# Altium PCB OBC-FPGA.PcbDoc (part 3 of 3)
Units mil, origin at the board's own origin, x right, y up, seen from the top; angles counter-clockwise.
Board outline 3775 x 3550 mil, 4 copper layers (Top Layer, Mid-Layer 2, Mid-Layer 3, Bottom Layer), stack 33.2 mil thick; 217 components, 167 nets, 957 pads, 748 vias.
Unrouted connection lines stored in the file: 2.
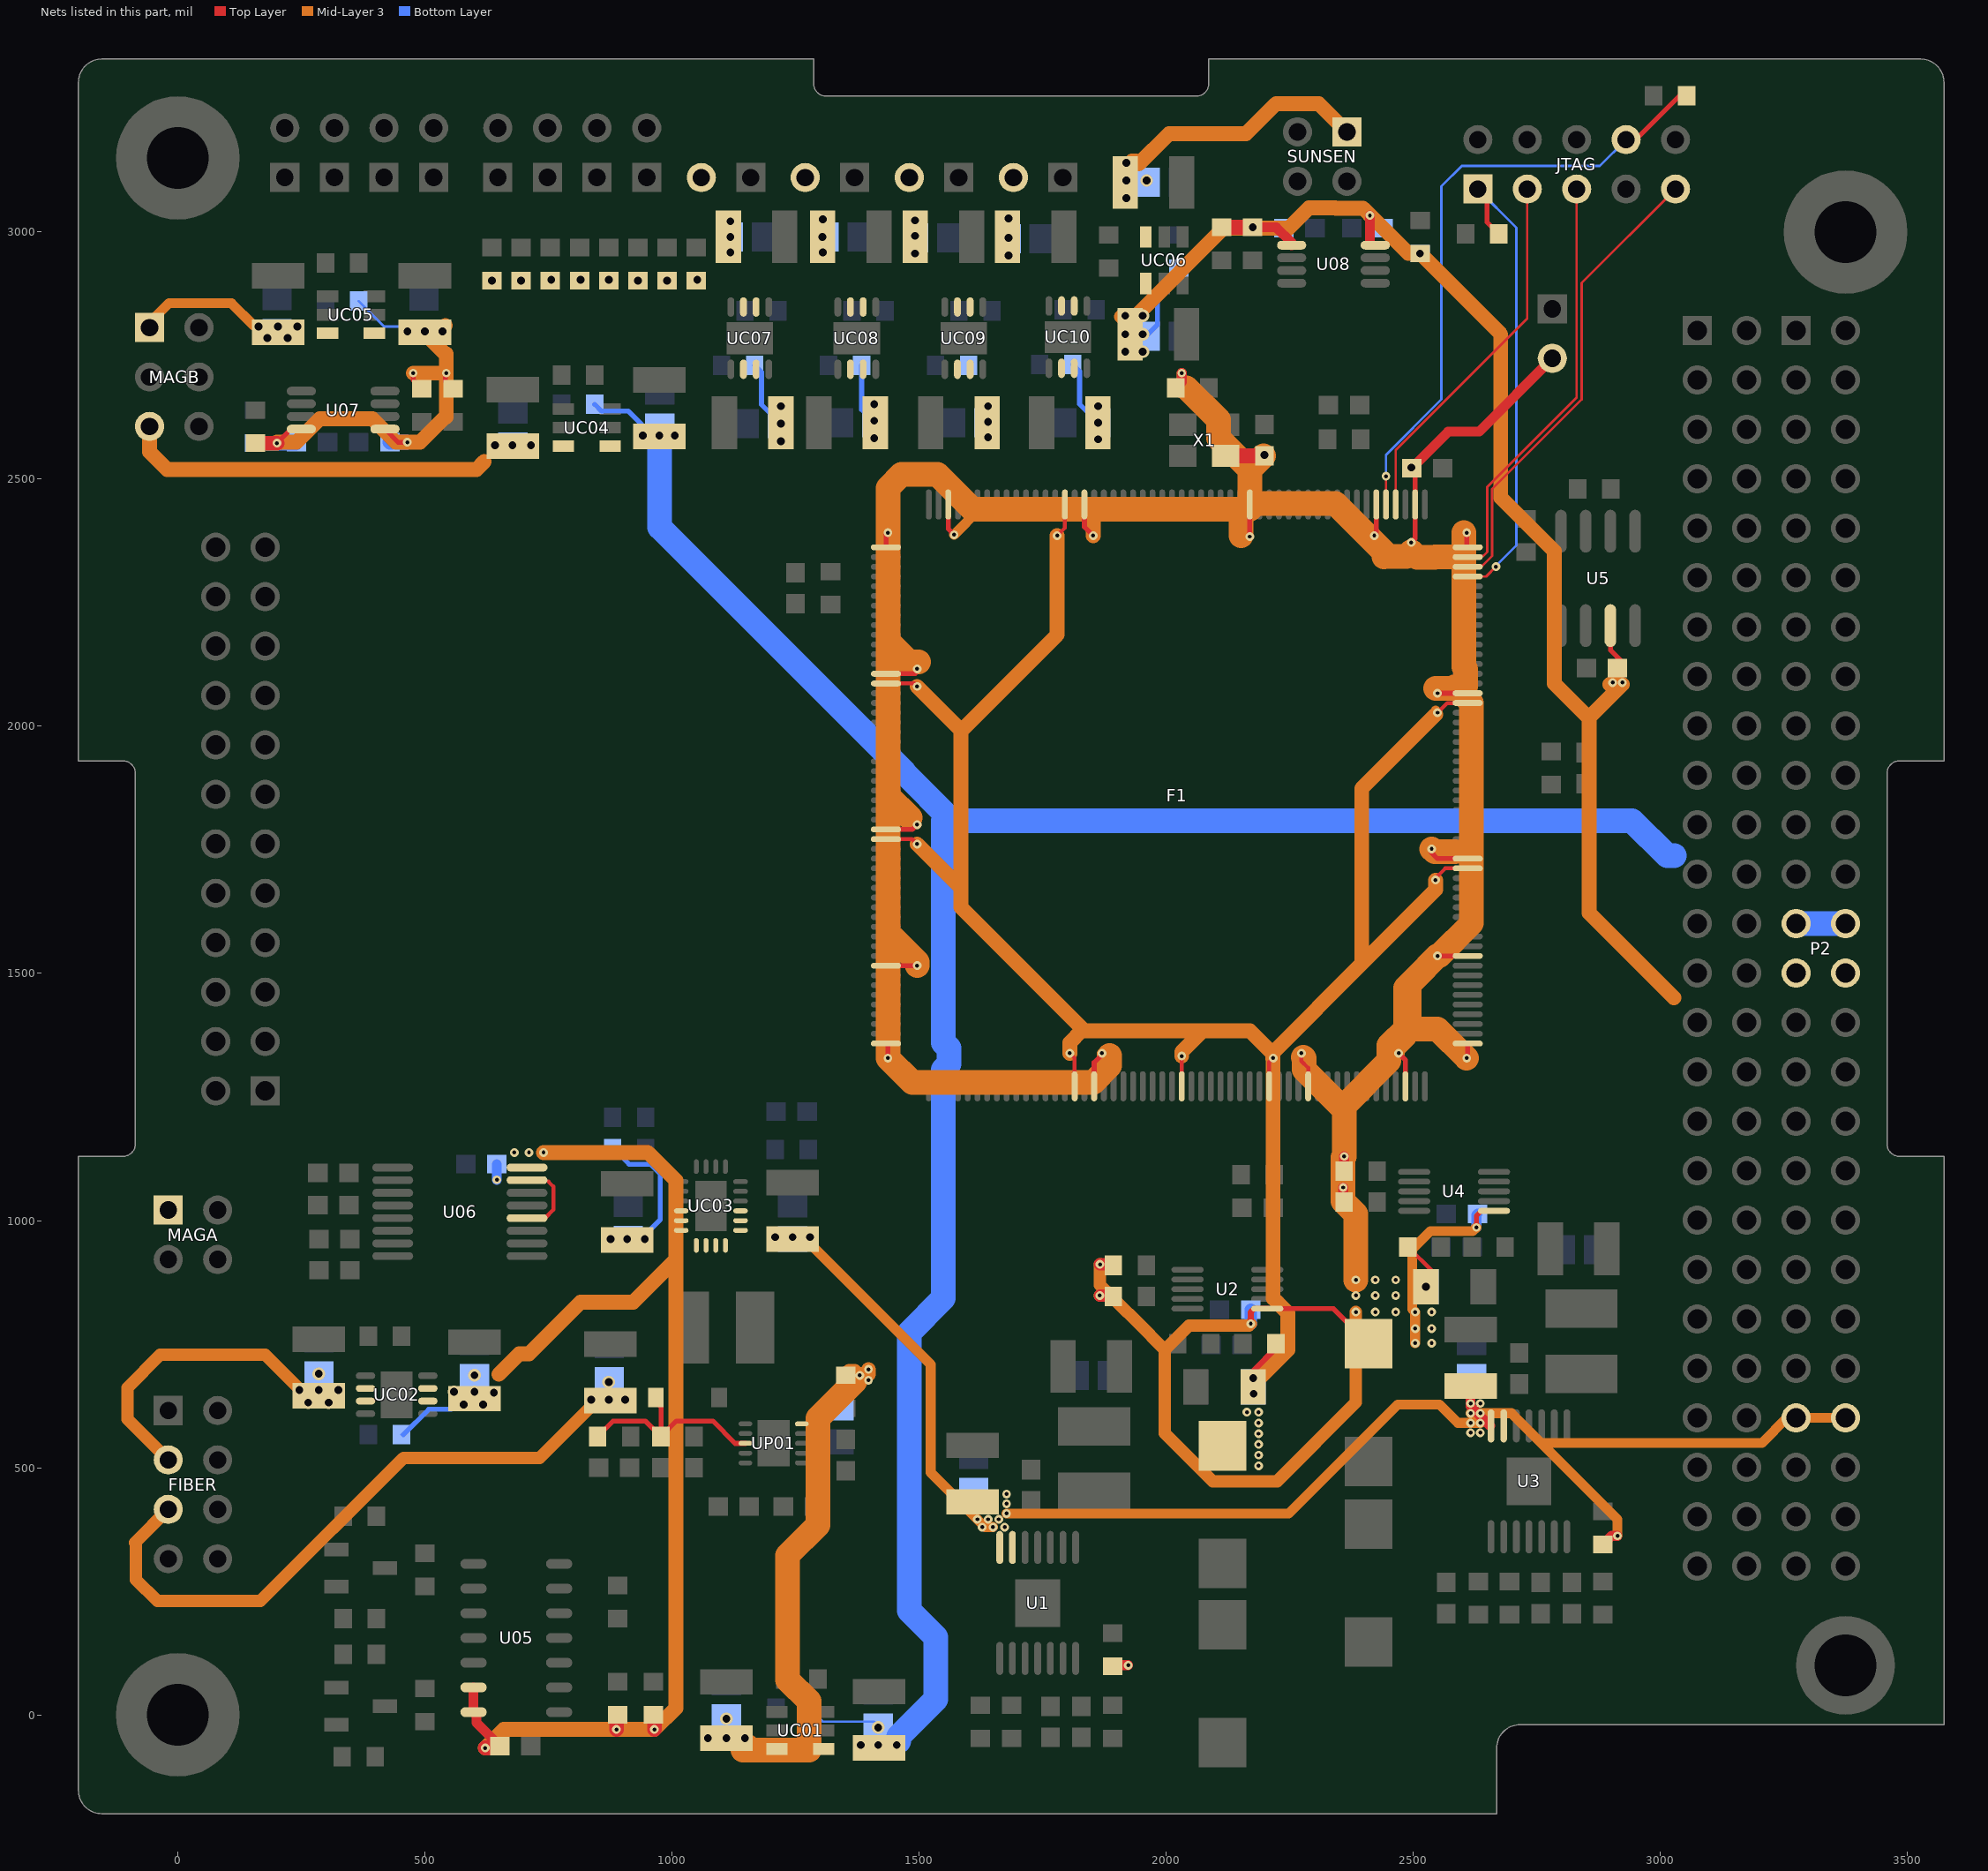
[diagram p5: the nets of this part, all layers, seen from the top]

## Via types
v1: diameter 17.72, hole 7.87, Top Layer to Bottom Layer, 514 vias
v2: diameter 25.59, hole 15.75, Top Layer to Bottom Layer, 212 vias
v3: diameter 23.62, hole 11.81, Top Layer to Bottom Layer, 22 vias

## Nets (pads, with @x,y where several pads share a name; then routed paths per layer and width w, separated by ;. In a path a pad name is that pad's centre, name@x,y a point inside that pad or via, vN(x,y) a via of type N, cw(c..) or ccw(c..) an arc to the next point about the centre after c; other vN are vias at no path point) (continued)
TCK: F1.101 JTAG.1 R20.2 | length 1003.9
  Top Layer w5: F1.101@2610.24,2303.15 2647.64,2303.15 v1(2667.32,2322.83) ; JTAG.1@2630.71,3087.01 JTAG.1@2645.28,3087.01 ; R20.2@2673.23,2996.06 R20.2@2673.23,2998.03
  Top Layer w10: JTAG.1@2630.71,3087.01 2649.61,3068.11 2649.61,3019.69 R20.2@2673.23,2996.06
  Bottom Layer w5: JTAG.1@2630.71,3087.01 2708.66,3009.06 2708.66,2366.14 2669.29,2326.77 2669.29,2324.8 v1(2667.32,2322.83)
TDI: F1.102 JTAG.9 | length 954.5
  Top Layer w5: F1.102@2610.24,2322.83 2632.7,2322.83 2634.67,2324.8 2639.76,2324.8 2659.61,2344.65 2659.61,2480.11 2840.71,2661.21 2840.71,2897.01 JTAG.9@3030.71,3087.01
TDO: F1.108 JTAG.3 | length 748.4
  Top Layer w5: F1.108@2464.57,2448.82 2464.57,2559.06 2730.71,2825.2 JTAG.3@2730.71,3087.01
TMS: F1.103 JTAG.5 | length 853.1
  Top Layer w5: F1.103@2610.24,2342.52 2612.2,2344.49 2641.73,2344.49 2649.61,2352.36 2649.61,2484.25 2830.71,2665.35 JTAG.5@2830.71,3087.01
TRST: F1.109 JTAG.8 R21.1 | length 1262.1
  Top Layer w5: F1.109@2444.88,2448.82 v1(2444.88,2505.91) ; JTAG.8@2930.71,3187.01 JTAG.8@2950.79,3187.01 ; R21.1@3039.37,3275.59 R21.1@3053.15,3275.59
  Top Layer w10: JTAG.8@2950.79,3187.01 R21.1@3039.37,3275.59
  Bottom Layer w5: v1(2444.88,2505.91) 2444.88,2549.21 2557.09,2661.42 2557.09,3092.52 2598.43,3133.86 2877.56,3133.86 JTAG.8@2930.71,3187.01
V_Ant1_5V: C103.1 C104.1 PAV1.2 UC09.6 UC09.7
  other v2: 1492.13,2956.69 1492.13,2992.13 1492.13,3023.62
V_Ant2_5V: C107.1 C108.1 PAV2.2 UC10.6 UC10.7
  other v2: 1681.1,2952.76 1681.1,2988.19 1681.1,3027.56
V_FIBERGYRO+3.3: C63.1 C64.1 FIBER.3 UC02.6 UC02.7 | length 581.7
  Mid-Layer 3 w25: FIBER.3@-19.29,515.75 -101.97,598.43 -101.97,661.81 -35.43,728.35 177.17,728.35 v2@244.09,661.42
  other v2: 263.78,631.89 305.12,631.89 246.06,657.48 285.43,657.48 324.8,657.48 285.43,689.96
V_FIBERGYRO-3.3: C59.2 C60.2 D1.1 FIBER.5 R53.2 R54.2 UP01.8 | length 1709.7
  Top Layer w10: R54.2@849.41,562.99 880.91,594.49 945.87,594.49 R53.2@977.36,562.99 R53.2@978.35,563.98 ; D1.1@967.52,641.73 967.52,632.87 978.35,622.05 R53.2@978.35,563.98 ; UP01.8@1148.62,549.21 1127.95,549.21 1082.68,594.49 1008.86,594.49 R53.2@978.35,563.98
  Mid-Layer 3 w25: FIBER.5@-19.29,415.75 -86.61,348.43 -84.65,346.46 -84.65,273.62 -41.34,230.32 167.32,230.32 456.69,519.68 732.28,519.68 834.65,622.05
  other v2: 836.61,637.8 872.05,637.8 905.51,637.8 872.05,673.23
V_Sb1_5V: C95.1 C96.1 SBV1.2 UC07.6 UC07.7
  other v2: 1118.11,2958.66 1118.11,2990.16 1118.11,3021.65
V_Sb2_5V: C99.1 C100.1 SBV2.2 UC08.6 UC08.7
  other v2: 1305.12,2958.66 1304.13,2990.16 1305.12,3025.59
VCC_1V5: C8.1 F1.16 F1.27 F1.36 F1.71 F1.88 F1.142 F1.171 F1.187 R5.1 R7.2 R45.1 | length 4377.6
  Top Layer w7.99: F1.187@1433.07,1771.65 1486.22,1771.65 v1(1496.06,1761.81) ; F1.171@1433.07,2086.61 1490.16,2086.61 v1(1496.06,2080.71) ; v1(1779.53,2385.83) 1795.28,2401.57 F1.142@1795.28,2448.82 ; v1(1805.12,1338.58) 1814.96,1328.74 F1.16@1814.96,1271.65 ; F1.27@2031.5,1271.65 v1(2031.5,1332.68) ; R45.1@2176.19,663.39 v2(2176.19,681.1) R45.1@2176.19,695.87 ; v1(2545.28,1688.98) 2543.31,1690.94 2564.96,1712.6 F1.71@2610.24,1712.6 ; v1(2549.21,2027.56) 2568.9,2047.24 F1.88@2610.24,2047.24
  Top Layer w8: F1.36@2208.66,1271.65 2208.66,1320.87 v1(2216.54,1328.74)
  Top Layer w12: R45.1@2176.19,695.87 2222.44,742.13 R7.2@2222.44,751.02
  Mid-Layer 3 w20: v1(1496.06,1761.81) v1@1497.5,1761.81 ; v1@2215.55,1327.76 2216.54,1326.77 v1@2218.5,1324.8 ; v1@2545.28,2031.5 v1(2549.21,2027.56)
  Mid-Layer 3 w30: v1(1496.06,1761.81) 1584.65,1673.23 ; v1(1496.06,2080.71) 1584.65,1992.13 1584.65,1673.23 ; 1586.61,1992.13 1779.53,2185.04 v1(1779.53,2385.83) ; v1(1805.12,1338.58) 1805.12,1360.24 1828.74,1383.86 ; v1(2031.5,1332.68) 2031.5,1341.19 2074.16,1383.86 ; 2190.94,683.07 2246.06,738.19 2246.06,812.99 2216.54,842.52 v1@2216.54,1326.77 ; v1@2215.55,1327.76 2215.55,1337.6 2169.29,1383.86 2074.16,1383.86 ; v1(2216.54,1328.74) 2216.54,1340.55 2395.67,1519.68 ; v1(2545.28,1688.98) 2545.28,1669.29 2395.67,1519.68 ; v1@2545.68,2024.02 2395.67,1874.02 2395.67,1519.68 ; 1584.65,1673.23 1584.65,1633.86 1831.69,1386.81 1828.74,1383.86 ; 1828.74,1383.86 2074.16,1383.86
  other v1: 2187.01,503.94 2187.01,525.59 2187.01,547.24 2187.01,568.9 2187.01,590.55 2163.39,612.2 2187.01,612.2
  other v2: 2177.17,649.61
VCC_3V3: C11.1 C21.1 C23.1 C24.1 C25.1 C26.1 F1.18 F1.40 F1.50 F1.53 F1.62 F1.72 F1.89 F1.104 F1.106 F1.110 F1.123 F1.140 F1.154 F1.157 F1.170 F1.186 F1.200 F1.208 Pv.2 R8.2 R9.2 R15.2 R16.1 R17.2 R18.2 R19.1 R24.1 U2.6 U4.6 X1.4 | length 10210.3
  Top Layer w8: v1(2273.62,1338.58) 2273.62,1322.83 2287.4,1309.06 F1.40@2287.4,1271.65 ; R15.2@2489.17,946.85 2539.37,896.65 2539.37,879.92 v2(2525.59,866.14)
  Top Layer w10: F1.208@1433.07,1358.27 1437.01,1354.33 v1(1437.01,1328.74) ; F1.200@1433.07,1515.75 v1(1496.06,1515.75) ; F1.186@1433.07,1791.34 1486.22,1791.34 v1(1496.06,1801.18) ; F1.170@1433.07,2106.3 1492.13,2106.3 ; F1.157@1433.07,2362.2 1433.07,2387.8 v1(1437.01,2391.73) ; F1.154@1559.06,2448.82 1559.06,2399.61 v1(1570.87,2387.8) ; F1.140@1834.65,2448.82 1834.65,2403.54 v1(1852.36,2385.83) ; F1.18@1854.33,1271.65 1854.33,1319.79 1870.08,1335.54 v1(1870.08,1338.58) ; v1(2169.29,2383.86) F1.123@2169.29,2448.82 ; U2.6@2204.72,821.85 2338.58,821.85 C21.1@2409.45,750.98 ; v1(2421.26,2385.83) 2425.2,2389.76 F1.110@2425.2,2448.82 ; v1(2470.47,1338.58) 2484.25,1324.8 F1.50@2484.25,1271.65 ; v1(2496.06,2372.05) 2503.94,2379.92 F1.106@2503.94,2448.82 2503.94,2515.43 C24.1@2496.91,2522.46 ; v1(2537.4,1751.97) 2537.4,1744.09 2549.21,1732.28 F1.72@2610.24,1732.28 ; v1(2549.21,1535.43) F1.62@2610.24,1535.43 ; v1(2549.21,2066.93) F1.89@2610.24,2066.93 ; v1(2608.27,1328.74) 2610.24,1330.71 F1.53@2610.24,1358.27 ; v1(2608.27,2391.73) 2608.27,2364.17 F1.104@2610.24,2362.2 ; v1(2627.95,986.22) 2627.95,1009.84 2637.8,1019.68 U4.6@2663.39,1019.68
  Top Layer w12: v1(2171.26,791.34) 2171.26,814.96 2178.15,821.85 U2.6@2204.72,821.85
  Top Layer w20: R19.1@2019.69,2685.04 2031.5,2696.85 v1(2031.5,2714.57) ; v1(2358.27,1066.93) 2358.27,1039.37 R17.2@2360.24,1037.4 ; R18.2@2360.24,1100.39 v1(2360.24,1129.92) ; C24.1@2496.06,2521.65 2570.87,2596.46 2633.46,2596.46 Pv.2@2781.5,2744.49
  Top Layer w25: v1(1865.75,848.43) 1891.34,848.43 R9.2@1893.31,846.46 ; v1(1866.14,911.42) 1891.34,911.42 R8.2@1893.31,909.45
  Top Layer w30: X1.4@2120.08,2547.24 C26.1@2196.85,2547.24
  Mid-Layer 3 w10: 1842.52,2438.98 1852.36,2429.13 ; v1(2496.06,2372.05) 2519.69,2348.43
  Mid-Layer 3 w20: 1481.79,1815.45 v1@1495.26,1801.99 ; v1(1570.87,2387.8) 1622.05,2438.98 ; 1594.49,2452.76 1820.87,2452.76 ; v1@1870.08,1333.86 v1(1870.08,1338.58) ; v1(2031.5,2714.57) 2031.5,2694.88 2041.34,2685.04 ; 2440.94,2352.36 2440.94,2342.52 2506.87,2342.52 2544.31,2342.52 2546.24,2342.52 ; v1(2503.94,751.97) v1(2503.94,781.5) v1(2503.94,814.96) 2498.03,820.87 2498.03,941.93 2534.45,978.35 2620.08,978.35 v1(2627.95,986.22)
  Mid-Layer 3 w25: v1(1865.75,848.43) 1887.8,848.43 ; v1(1866.14,911.42) 1866.14,870.08 1887.8,848.43 ; v1(2171.26,791.34) 2167.32,787.4 2046.15,787.4 1997.48,738.74 ; v1@2273.62,1330.5 v1(2273.62,1338.58) ; v1@2379.92,875.98 v1@2379.92,879.92 ; v1(2383.86,814.96) 2383.86,631.89 2224.41,472.44 2094.49,472.44 1997.48,569.45 1997.48,738.74 ; v1(2470.47,1338.58) 2470.47,1343.56 2493.05,1366.14 ; 2503.94,1387.8 2503.94,1490.16 ; v1@2602.36,2391.73 v1(2608.27,2391.73) ; 1887.8,848.43 1905.51,830.71 1940.81,795.41 1997.48,738.74
  Mid-Layer 3 w30: v1(1852.36,2385.83) 1852.36,2429.13
  Mid-Layer 3 w50: 1481.79,1815.45 1437.01,1860.24 ; v1(1496.06,1515.75) 1496.06,1523.62 1437.01,1582.68 ; 1498.82,2130.71 1479.53,2130.71 1444.88,2165.35 1437.01,2165.35 ; 1885.83,1333.86 1885.83,1312.99 1852.36,1279.53 1486.22,1279.53 v1(1437.01,1328.74) 1437.01,1582.68 ; 2041.34,2685.04 2106.3,2620.08 2106.3,2582.68 2169.29,2519.68 ; 2151.57,2385.83 2151.57,2427.17 2163.39,2438.98 ; v2@2196.85,2547.24 2169.29,2519.68 ; v1@2277.19,1330.5 2278.97,1328.71 2278.97,1305.67 2350.39,1234.25 2362.2,1234.25 ; v1(2383.86,879.92) 2383.86,1013.78 2358.27,1039.37 v1(2358.27,1066.93) 2358.27,1127.95 v1(2360.24,1129.92) 2360.24,1232.28 2362.2,1234.25 ; 2440.94,2342.52 2446.34,2347.92 2450.33,2343.93 2486.67,2343.93 2496.06,2353.33 2506.87,2342.52 2507.42,2341.97 2543.76,2341.97 2544.31,2342.52 ; 2440.94,2352.36 2342.52,2450.79 2181.1,2450.79 2169.29,2438.98 ; 2503.94,1387.8 2549.21,1387.8 v1(2608.27,1328.74) ; v1(2537.4,1751.97) 2543.31,1746.06 2584.65,1746.06 ; 2545.68,2076.5 2580.43,2076.5 2584.65,2080.71 ; 2546.24,2342.52 2602.36,2342.52 ; v1@2602.36,2391.73 2602.36,2342.52 ; 1437.01,1582.68 1437.01,1860.24 ; 1437.01,1860.24 1437.01,2165.35 ; 1437.01,2165.35 v1(1437.01,2391.73) 1437.01,2482.28 1464.57,2509.84 1537.4,2509.84 1594.49,2452.76 1608.27,2438.98 1622.05,2438.98 1842.52,2438.98 2163.39,2438.98 ; 2163.39,2438.98 2169.29,2438.98 ; 2169.29,2438.98 2169.29,2519.68 ; 2362.2,1234.25 2450.79,1322.83 2450.79,1354.33 2484.25,1387.8 2484.25,1470.47 2503.94,1490.16 v1(2549.21,1535.43) 2552.18,1535.43 2618.11,1601.36 2618.11,2047.24 2584.65,2080.71 ; 2584.65,2080.71 2606.3,2080.71 2606.3,2116.14 2602.36,2120.08 2602.36,2342.52
  Bottom Layer w20: v1(2627.95,986.22) 2627.95,1011.81 C23.1@2629.92,1013.78
  Bottom Layer w25: v1(2171.26,791.34) C11.1@2171.26,819.88
  other v1: 2537.4,751.97 2537.4,781.5 2423.23,814.96 2464.57,814.96 2537.4,814.96 2383.86,848.43 2423.23,848.43 2464.57,848.43 2423.23,879.92 2464.57,879.92 1496.06,2116.14
  other v2: 2496.06,2523.62 2198.82,2549.21
VCC_FIBERGYRO_5V: C52.1 C53.1 C54.2 R52.1 UC01.6 UP01.5 | length 1059.3
  Mid-Layer 3 w30: 1350.39,675.2 1364.17,688.98 ; 1350.39,687.01 1358.27,694.88 1370.08,694.88 1364.17,688.98 ; v1(1397.64,698.82) 1397.64,688.98 1364.17,688.98
  Mid-Layer 3 w50: 1151.57,-62.99 1143.7,-70.87 1277.56,-70.87 1277.56,27.56 1234.25,70.87 1234.25,322.83 1295.28,383.86 1295.28,600.39 1370.08,675.2
  other v1: 1397.64,677.17 1379.92,687.01
  other v2: 1072.83,-47.24 1110.24,-47.24 1147.64,-47.24 1110.24,-7.87
VCC_MAGA: C69.1 C70.1 MAGA.1 R68.1 UC03.4 UC03.5 UC03.6 UC03.7 UC03.8 | length 246.4
  Bottom Layer w5: R68.1@879.92,1145.67 R68.1@881.89,1145.67
  Bottom Layer w10: R68.1@881.89,1145.67 913.39,1114.17 956.69,1114.17 976.38,1094.49 976.38,1001.97 950.79,976.38
  other v2: 875.98,962.6 909.45,962.6 944.88,962.6
VCC_MAGB_3.3: C84.1 C85.1 MAGB.1 UC05.6 | length 263.7
  Mid-Layer 3 w20: MAGB.1@-57.09,2806.69 -57.09,2816.93 -17.8,2856.22 108.35,2856.22 153.54,2811.02 v2@161.42,2811.02
  other v2: 181.1,2785.43 222.44,2785.43 163.39,2809.06 202.76,2809.06 242.13,2809.06
VCC_MAGB_5V: C80.1 C81.1 MAGB.5 UC04.6 | length 749.9
  Mid-Layer 3 w30: MAGB.5@-57.09,2606.69 -57.09,2555.12 -21.65,2519.68 604.33,2519.68 620.08,2535.43
  other v2: 641.73,2568.9 677.17,2568.9 714.57,2568.9
VCC_SUNSEN_3.3: C91.1 C92.1 SUNSEN.1 UC06.6 | length 511.3
  Mid-Layer 3 w30: v2@1931.1,3143.7 1938.98,3143.7 1944.88,3137.8 2005.91,3198.82 2161.42,3198.82 2222.44,3259.84 2308.66,3259.84 SUNSEN.1@2365.75,3202.76
  other v2: 1919.29,3068.9 1919.29,3104.33 1960.63,3104.33 1919.29,3139.76
VOUT_3V3: C27.1 C61.1 C62.1 C65.1 C75.2 C76.1 C77.1 C82.1 C83.1 C87.1 C88.1 C89.1 C90.1 P2.27 P2.28 R56.1 R58.1 R60.1 R70.1 R71.1 R72.1 R73.1 R76.1 R80.2 R81.2 R82.2 R83.2 R84.2 R85.2 R86.2 R87.2 R88.1 R89.1 R90.1 R91.1 R92.1 U5.3 U05.13 U05.14 U06.12 U06.15 U06.16 U07.1 U07.8 U08.1 U08.8 UC02.2 UC02.3 UC05.1 UC06.1 | length 7116.9
  Top Layer w5: U06.12@706.69,1004.92 U06.12@743.11,1004.92
  Top Layer w8: U06.12@743.11,1004.92 759.84,1021.65 759.84,1068.9 750,1078.74
  Top Layer w10: v1(200.79,2572.83) 229.33,2601.38 U07.8@250,2601.38 U07.8@248.03,2599.41 ; U07.1@419.29,2601.38 445.87,2574.8 v1(464.57,2574.8) ; v1(476.38,2714.57) 476.38,2700.79 R71.1@494.09,2683.07 ; v1(543.31,2714.57) 541.34,2712.6 541.34,2698.82 R70.1@557.09,2683.07 ; U08.8@2412.4,2977.36 2419.78,2969.98 U08.8@2423.23,2973.43 ; U5.3@2899.02,2203.74 2899.02,2154.13 C27.1@2923.23,2129.92
  Top Layer w20: U05.13@598.43,55.51 U05.14@598.43,5.51 604.33,-0.39 604.33,-15.75 C65.1@651.57,-62.99 ; v2(2175.2,3009.84) 2222.44,3009.84 2253.94,2978.35 U08.1@2253.94,2973.43 ; U08.8@2412.4,2977.36 v1(2412.4,3033.46)
  Top Layer w30: R72.1@157.48,2572.83 v1(200.79,2572.83) ; v1(622.05,-66.93) 647.64,-66.93 C65.1@651.57,-62.99 ; v1(887.8,-29.53) 887.8,-1.97 R58.1@889.76,0 ; R60.1@962.6,0 964.57,-1.97 v1(964.57,-29.53) ; R89.1@2112.2,3009.84 v2(2175.2,3009.84)
  Mid-Layer 3 w30: v1@200.79,2574.8 240.16,2574.8 287.4,2622.05 393.7,2622.05 440.94,2574.8 v1(464.57,2574.8) 490.16,2574.8 542.32,2626.97 543.31,2625.98 v1(543.31,2714.57) ; v1(476.38,2714.57) v1(543.31,2714.57) ; 541.34,2811.02 512.8,2782.48 542.32,2752.95 543.31,2753.94 v1(543.31,2714.57) ; v1(622.05,-66.93) 659.84,-29.13 887.4,-29.13 v1(887.8,-29.53) v1(964.57,-29.53) 1007.87,13.78 1007.87,921.26 ; 649.61,688.98 690.94,730.32 710.63,730.32 814.96,834.65 921.26,834.65 1007.87,921.26 ; v1(740.16,1137.8) 951.43,1137.8 1007.87,1081.35 1007.87,921.26 ; v2@1909.45,2828.74 1937.01,2828.74 2116.14,3007.87 2247.98,3007.87 2289.32,3049.21 2342.18,3049.21 2343.16,3048.23 2398.62,3048.23 2412.4,3034.45 v1(2412.4,3033.46) 2413.39,3033.46 2489.76,2957.09 2513.39,2957.09 v2(2513.78,2956.69) 2677.17,2793.31 2677.17,2462.6 2785.43,2354.33 2785.43,2086.61 2818.9,2053.15 ; v1@2897.64,2084.65 2923.23,2084.65 2855.31,2016.73 ; 3027.56,1450.79 2856.3,1622.05 2856.3,2015.75 2855.31,2016.73 ; 2818.9,2053.15 2855.31,2016.73 ; 2818.9,2053.15 2855.31,2016.73
  Bottom Layer w5: R76.1@366.14,2860.24 417.32,2809.06 v2@462.6,2809.06 ; R56.1@452.76,566.93 R56.1@456.69,566.93
  Bottom Layer w10: R56.1@456.69,566.93 507.87,618.11 553.15,618.11 561.02,625.98 ; C90.1@1961.61,2791.34 1982.28,2812.01 1982.28,2883.86 R92.1@2025.59,2927.17 ; C88.1@2437.99,3007.87 C88.1@2438.98,3007.87
  Bottom Layer w20: v1(645.67,1082.68) C75.2@645.67,1114.17 ; v1(2412.4,3033.46) C88.1@2437.99,3007.87
  Bottom Layer w30: R73.1@155.51,2572.83 v1(200.79,2572.83) 238.19,2572.83 C77.1@240.16,2574.8 ; C76.1@429.13,2574.8 v1(464.57,2574.8) ; v2(2175.2,3009.84) 2177.17,3007.87 C87.1@2238.19,3007.87
  other v1: 681.1,1137.8 710.63,1137.8 2903.54,2088.58 2923.23,2088.58
  other v2: 578.74,627.95 618.11,627.95 639.76,651.57 559.06,653.54 600.39,653.54 600.39,687.01 1917.32,2757.87 1952.76,2757.87 1917.32,2793.31 1952.76,2793.31 464.57,2799.21 500,2799.21 535.43,2799.21 1917.32,2830.71 1952.76,2830.71 635.83,2901.57 694.88,2901.57 931.1,2901.57 990.16,2901.57 755.91,2903.54 814.96,2903.54 872.05,2903.54 1051.18,2903.54
VOUT_5V: C50.1 C51.1 C78.1 C79.1 C93.1 C94.1 C97.1 C98.1 C101.1 C102.1 C105.1 C106.1 P2.25 P2.26 R50.1 R74.1 R94.1 R96.1 R98.1 R100.1 UC01.1 UC04.1 UC07.2 UC07.3 UC08.2 UC08.3 UC09.2 UC09.3 UC10.2 UC10.3 | length 5238.8
  Bottom Layer w5: R50.1@1277.56,13.78 1305.12,-13.78 1408.46,-13.78 C51.1@1417.32,-22.64
  Bottom Layer w10: R74.1@843.5,2651.57 857.28,2637.8 911.42,2637.8 938.98,2610.24 v2@938.98,2586.61 ; R94.1@1167.32,2730.31 1181.1,2716.54 1181.1,2650.95 1219.49,2612.57 C94.1@1219.49,2612.2 ; R96.1@1383.86,2730.31 1383.86,2640.75 C98.1@1410.43,2614.17 ; R100.1@1811.02,2732.28 1824.8,2718.5 1824.8,2651.94 1862.2,2614.54 v2(1862.2,2614.17)
  Bottom Layer w50: 975.39,2571.85 975.39,2402.56 1469.96,1907.99 1469.96,1906.02 1566.93,1809.06 1549.21,1809.06 1549.21,1360.07 1560.51,1348.77 1560.51,1316.58 1549.21,1305.28 1549.21,842.52 1480.32,773.62 1480.32,210.63 1533.46,157.48 1533.46,31.5 1458.66,-43.31 v2@1458.66,-53.15 ; 1594.49,1809.06 2942.91,1809.06 3013.78,1738.19 3028.05,1738.19 ; P2.25@3274.85,1600.8 P2.26@3374.85,1600.8
  other v2: 1381.89,-61.02 1417.32,-61.02 1454.72,-61.02 1417.32,-25.59 1220.47,2576.77 1862.2,2580.71 1409.45,2582.68 1639.76,2584.65 940.94,2588.58 974.41,2588.58 1005.91,2588.58 1220.47,2612.2 1639.76,2616.14 1409.45,2618.11 1220.47,2647.64 1639.76,2647.64 1862.2,2647.64 1409.45,2651.57
VOUT_BATT: C1.1 C2.1 C12.1 C13.1 C66.1 C67.1 P2.45 P2.46 R1.2 R11.2 U1.13 U1.14 U3.13 U3.14 UC03.9 UC03.10 UC03.11 UC03.12 UC03.13 | length 3018.1
  Top Layer w20: R1.2@1891.73,98.43 1893.7,100.39 v1(1923.23,100.39) ; C12.1@2616.14,665.35 2616.14,624.02 2626.97,613.19 2632.87,607.28 U3.14@2655.51,584.65 ; R11.2@2883.86,344.49 2901.57,362.2 v1(2913.39,362.2)
  Mid-Layer 3 w20: 1283.46,948.82 1523.62,708.66 1523.62,490.16 v1(1618.11,395.67) 1633.86,379.92 v1(1649.61,379.92) ; v1(1677.17,407.48) 2248.03,407.48 2468.5,627.95 2553.15,627.95 2590.55,590.55 v1(2616.14,590.55) v1(2635.83,590.55) ; v1(2616.14,610.24) v1(2635.83,610.24) 2698.82,610.24 2758.72,550.33 ; v1(2913.39,362.2) 2913.39,395.67 2758.72,550.33 ; P2.46@3374.85,600.8 P2.45@3274.85,600.8 3256.31,600.8 3205.84,550.33 2758.72,550.33
  other v1: 1627.95,379.92 1673.23,379.92 1639.76,395.67 1661.42,395.67 1677.17,427.17 1677.17,446.85 2616.14,570.87 2635.83,570.87 2616.14,629.92 2635.83,629.92
  other v2: 1208.66,966.54 1244.09,966.54 1279.53,966.54
pads on no net: F1.2 F1.3 F1.4 F1.5 F1.12 F1.13 F1.14 F1.15 F1.19 F1.20 F1.21 F1.22 F1.23 F1.24 F1.26 F1.28 F1.42 F1.47 F1.48 F1.49 F1.54 F1.55 F1.56 F1.57 F1.58 F1.59 F1.60 F1.61 F1.63 F1.64 F1.66 F1.67 F1.68 F1.69 F1.70 F1.73 F1.74 F1.75 F1.76 F1.77 F1.78 F1.79 F1.82 F1.83 F1.84 F1.90 F1.91 F1.92 F1.93 F1.94 F1.95 F1.96 F1.98 F1.99 F1.111 F1.112 F1.113 F1.114 F1.121 F1.126 F1.139 F1.159 F1.160 F1.161 F1.163 F1.164 F1.165 F1.166 F1.167 F1.168 F1.169 F1.172 F1.173 F1.174 F1.175 F1.176 F1.177 JTAG.4 JTAG.10 P1.2 P1.4 P1.5 P1.6 P1.7 P1.8 P1.9 P1.10 P1.11 P1.12 P1.13 P1.14 P1.15 P1.16 P1.17 P1.18 P1.19 P1.20 P1.21 P1.22 P1.23 P1.24 P1.25 P1.26 P1.27 P1.28 P1.29 P1.30 P1.31 P1.32 P1.33 P1.34 P1.35 P1.36 P1.37 P1.38 P1.39 P1.40 P1.41 P1.42 P1.43 P1.44 P1.45 P1.46 P1.47 P1.48 P1.49 P1.50 P1.51 P1.52 P2.1 P2.2 P2.3 P2.4 P2.5 P2.6 P2.7 P2.8 P2.9 P2.10 P2.11 P2.12 P2.13 P2.14 P2.15 P2.16 P2.17 P2.18 P2.19 P2.20 P2.21 P2.22 P2.23 P2.24 P2.33 P2.34 P2.35 P2.36 P2.37 P2.38 P2.39 P2.40 P2.41 P2.42 P2.43 P2.44 P2.47 P2.48 P2.49 P2.50 P2.51 P2.52 U2.3 U4.3 U05.1 U05.8

## Polygon pours and split planes (outlines as drawn)
GND on Mid-Layer 3 "G3" (solid, remove dead copper, pour order 58): -206.69,3356.3 -206.69,-206.69 3582.68,-206.69 3582.68,3356.3
VOUT_3V3 on Mid-Layer 3 "3V3_1" (solid, pour order 22): 3415.35,1545.28 3415.35,1336.61 3011.81,1336.61 3011.81,1545.28
VOUT_3V3 on Mid-Layer 3 "3V" (solid, remove dead copper, pour order 32): 2545.28,2757.87 2501.97,2801.18 2501.97,2838.58 2124.02,2838.58 2005.91,2720.47 1844.49,2720.47 1787.4,2777.56 1787.4,2883.86 1968.5,3064.96 2549.21,3064.96 2690.94,2923.23 2545.28,2777.56
VOUT_3V3 on Mid-Layer 3 "3V_1" (solid, remove dead copper, pour order 34): 1929.13,3027.56 537.4,3027.56 360.24,2850.39 360.24,2722.44 437.01,2645.67 669.29,2645.67 767.72,2744.09 1929.13,2744.09 1929.13,3021.65 1931.1,3023.62
VOUT_3V3 on Mid-Layer 3 "3V_2" (solid, remove dead copper, pour order 36): 637.8,2645.67 757.87,2645.67 779.53,2624.02 779.53,1208.66 755.91,1185.04 625.98,1185.04 590.55,1149.61 590.55,944.88 622.05,913.39 1118.11,913.39 1118.11,2744.09 1015.75,2846.46 807.09,2846.46 807.09,2812.99 641.73,2647.64
VOUT_3V3 on Mid-Layer 3 "3V_3" (solid, remove dead copper, pour order 38): 590.55,750 568.9,728.35 517.72,728.35 494.09,704.72 494.09,624.02 531.5,586.61 657.48,586.61 832.68,761.81 1094.49,761.81 1129.92,797.24 1129.92,1132.87 727.36,1132.87 590.55,996.06
VOUT_BATT on Mid-Layer 3 "12V" (solid, remove dead copper, pour order 44): 3415.35,255.91 3435.04,275.59 3435.04,1003.94 3395.67,1043.31 2921.26,1043.31 2606.3,728.35 2525.59,728.35 2242.13,444.88 1887.8,444.88 1887.8,446.85 1309.06,1025.59 1188.98,1025.59 1167.32,1003.94 1167.32,927.17 1220.47,874.02 1277.56,874.02 1451.51,700.06 1451.51,198.09 1566.93,82.68 1566.93,1.97 1641.73,-72.83 2525.59,-72.83 2854.33,255.91
VOUT_BATT on Mid-Layer 3 "12V_2" (solid, remove dead copper, pour order 46): 2066.93,444.88 2055.12,444.88 1474.41,1025.59 1299.21,1025.59 1299.21,931.1 1812.99,417.32 2045.28,417.32 2045.28,419.29 2066.93,440.94
VOUT_5V on Bottom Layer "V5_1" (solid, pour order 26): 3415.35,1555.12 3011.81,1555.12 3011.81,1771.65 3405.51,1771.65 3415.35,1761.81
VOUT_5V on Bottom Layer "5V_1" (solid, remove dead copper, pour order 48): 3415.35,2037.4 3181.1,2271.65 2248.03,2271.65 1954.72,2564.96 1954.72,2631.89 1862.2,2724.41 911.42,2724.41 850.39,2663.39 850.39,2328.74 1624.02,1555.12 3415.35,1555.12 3417.32,1557.09 3415.35,1559.06
VOUT_5V on Bottom Layer "5V_2" (solid, remove dead copper, pour order 50): 1413.39,1771.65 1413.39,374.02 1246.06,206.69 1246.06,-43.31 1320.87,-118.11 1513.78,-118.11 1588.58,-43.31 1588.58,1663.39 1590.55,1665.35 1484.25,1771.65
GND on Bottom Layer "G4" (solid, remove dead copper, pour order 62): -206.69,3356.3 -206.69,-206.69 3582.68,-206.69 3582.68,3356.3
GND on Mid-Layer 2 "G2" (solid, remove dead copper, pour order 56): -206.69,-206.69 -204.72,-204.72 3582.68,-204.72 3582.68,3356.3 3572.83,3356.3 3570.87,3358.27 -206.69,3358.27
GND on Top Layer "G1" (solid, remove dead copper, pour order 64): -206.69,3356.3 -206.69,-206.69 3582.68,-206.69 3582.68,3356.3

## Keep-outs
Keep-Out Layer:
  the board outline again, w10

## Other copper
Top Layer:
  rectangle net GND: 1057.09,88.58 1163.39,141.73
  rectangle net GND: 921.26,2649.61 1027.56,2675.2
  rectangle net GND: 1740.16,2938.98 1767.72,3043.31
  rectangle net GND: 1553.15,2937.01 1580.71,3043.31
  rectangle net GND: 1183.07,2937.01 1206.69,3043.31
  rectangle net GND: 1755.91,2631.89 1769.68,2759.84
  rectangle net GND: 1328.74,2736.22 1342.52,2759.84
  rectangle net GND: 1545.28,2655.51 1559.06,2753.94
  rectangle net GND: 1330.71,2734.25 1340.55,2763.78
  rectangle net GND: 1114.17,2663.39 1124.02,2759.84
  rectangle net GND: 1080.71,2561.02 1159.45,2667.32
  rectangle net GND: 1271.65,2559.06 1354.33,2667.32
  rectangle net GND: 1498.03,2561.02 1582.68,2667.32
  rectangle net GND: 1722.44,2559.06 1801.18,2667.32
  rectangle net GND: 2864.17,1864.17 2917.32,1903.54
  rectangle net GND: 1785.43,307.09 1885.83,368.11
  rectangle net GND: 2781.5,553.15 2874.02,614.17
  rectangle net VOUT_3V3: 631.89,1074.8 751.97,1151.57
  rectangle net VCC_SUNSEN_3.3: 1931.1,2968.5 1970.47,3153.54
  rectangle net VOUT_3V3: 1938.98,2801.18 1970.47,2917.32
  rectangle net VOUT_3V3: 1938.98,2740.16 1970.47,2820.87
  rectangle net VCC_SUNSEN_3.3: 1942.91,3070.87 1968.5,3129.92
  rectangle net VOUT_3V3: 377.95,2783.46 509.84,2807.09
  rectangle net VCC_MAGB_3.3: 210.63,2781.5 322.83,2807.09
  rectangle net GND: 171.26,2860.24 230.32,2887.8
  rectangle net GND: 468.5,2860.24 527.56,2887.8
  rectangle net VOUT_5V: 854.33,2555.12 1027.56,2578.74
  rectangle net VCC_MAGB_5V: 704.72,2555.12 801.18,2578.74
  rectangle net GND: 649.61,2629.92 706.69,2659.45
  rectangle net GND: 940.94,2649.61 1001.97,2677.17
  rectangle net VOUT_BATT: 1127.95,958.66 1175.2,980.31
  rectangle net VOUT_BATT: 1084.65,935.04 1297.24,962.6
  rectangle net VCC_MAGA: 954.72,958.66 1031.5,980.31
  rectangle net VCC_MAGA: 960.63,935.04 1072.83,962.6
  region net VCC_MAGA: 962.58,935.3 1014.04,994.11 980.32,1023.62 928.86,964.81
  rectangle net VCC_MAGA: 980.32,976.38 1031.5,1023.62
  rectangle net GND: 937.01,1035.43 1029.53,1082.68
  rectangle net GND: 1129.92,1055.12 1218.5,1082.68
  region net VOUT_BATT: 1139.76,988.19 1190.95,937.01 1226.38,972.44 1175.2,1023.62
  rectangle net VOUT_BATT: 1127.95,978.35 1175.2,1023.62
  region net GND: 940.94,1051.18 881.89,1051.18 881.89,1021.65 940.94,1021.65
  region net GND: 1273.62,1055.12 1214.57,1055.12 1214.57,1025.59 1273.62,1025.59
  rectangle net V_FIBERGYRO-3.3: 960.63,581.69 994.09,661.42
  rectangle net NetR57_2: 368.11,683.07 397.64,753.94
  rectangle net VOUT_3V3: 492.13,629.92 578.74,667.32
  rectangle net V_FIBERGYRO+3.3: 326.77,627.95 395.67,667.32
  rectangle net V_FIBERGYRO+3.3: 256.89,669.29 314.96,698.82
  rectangle net VOUT_3V3: 570.87,665.35 629.92,696.85
  rectangle net VOUT_BATT: 2625.98,600.39 2663.39,647.64
  rectangle net VOUT_BATT: 2663.39,561.02 2679.13,610.24
  rectangle net NetC16_1: 2696.85,712.6 2913.39,751.97
  rectangle net NetC16_1: 2728.35,559.06 2763.78,612.2
  rectangle net NetC17_2: 2755.91,781.5 2801.18,996.06
  rectangle net NetC17_2: 2616.14,830.71 2801.18,900.59
  rectangle net NetC20_1: 2362.2,336.61 2456.69,562.99
  rectangle net VCC_3V3: 2360.24,702.76 2549.21,899.61
  rectangle net VOUT_BATT: 1610.24,307.09 1692.91,456.69
  rectangle net VOUT_BATT: 2606.3,559.06 2685.04,690.94
  rectangle net NetC5_1: 1708.66,476.38 1927.17,515.75
  rectangle net NetC5_1: 1738.19,309.06 1765.75,370.08
  rectangle net NetC6_1: 1765.75,545.28 1816.93,757.87
  region net NetC6_1: 1894.67,607.88 1927.73,546.49 2085.38,631.38 2052.32,692.77
  rectangle net VCC_1V5: 2151.57,494.09 2200.79,697.83
  rectangle net NetC8_2: 2068.9,145.67 2159.45,356.3
  rectangle net VOUT_5V: 1285.43,-80.71 1419.29,-57.09
  rectangle net VCC_FIBERGYRO_5V: 1057.09,-78.74 1232.28,-57.09
  rectangle net VCC_FIBERGYRO_5V: 1081.69,-37.4 1139.76,3.94
  rectangle net VOUT_5V: 1388.78,-59.06 1444.88,-9.84
  rectangle net NetC55_1: 1332.68,564.96 1370.08,635.83
  rectangle net GND: 1332.68,472.44 1401.57,513.78
  rectangle net VCC_FIBERGYRO_5V: 1330.71,669.29 1407.48,704.72
  rectangle net NetC55_1: 1251.97,549.21 1346.46,572.83
  rectangle net VCC_FIBERGYRO_5V: 1253.94,584.65 1273.62,651.57
  region net VCC_FIBERGYRO_5V: 1253.94,651.57 1263.6,635.87 1345.1,686.02 1335.43,701.73
  region net VCC_FIBERGYRO_5V: 1323.67,693.63 1327.33,691.31 1334.38,702.4 1330.71,704.72
  rectangle net VCC_FIBERGYRO_5V: 1312.99,669.29 1330.71,677.17
  rectangle net NetD1_2: 1135.83,582.68 1163.39,618.11
  region net NetD1_2: 1139.16,584.88 1163.39,618.11 1107.66,658.74 1083.43,625.51
  rectangle net NetD1_2: 1039.37,622.05 1110.24,856.3
  rectangle net GND: 1173.23,574.8 1206.69,759.84
  rectangle net V_FIBERGYRO-3.3: 824.8,622.05 982.28,661.42
  rectangle net V_FIBERGYRO-3.3: 844.49,659.45 901.57,690.94
  rectangle net GND: 1368.11,2937.01 1393.7,3043.31
  rectangle net GND: 232.28,785.43 338.58,812.99
  rectangle net GND: 547.24,779.53 653.54,805.12
  rectangle net GND: 820.87,773.62 929.13,799.21
  rectangle net GND: 1368.11,72.83 1472.44,118.11
  rectangle net GND: 1555.12,568.9 1661.42,612.2
  rectangle net GND: 2057.09,-19.68 2175.2,49.21
  rectangle net GND: 2350.39,179.13 2470.47,255.91
  rectangle net VOUT_3V3: 2893.7,2076.77 2933.07,2100.39
  rectangle net GND: 2830.71,2127.95 2870.08,2171.26
  region net V_Ant2_5V: 1653.54,2937.01 1653.54,2929.13 1665.35,2907.48 1744.1,2881.46 1765.75,2877.95 1781.5,2864.17 1781.5,2834.65 1820.87,2834.65 1820.87,2866.14 1820.87,2874.02 1816.93,2889.76 1775.59,2927.17 1736.34,2934 1730.32,2937.01 1704.72,2957.68 1674.21,2957.68
  region net V_Ant1_5V: 1466.54,2913.39 1478.35,2901.57 1527.56,2885.83 1549.91,2878.67 1570.87,2865.07 1570.87,2832.68 1610.24,2832.68 1610.24,2899.61 1580.71,2927.17 1547.24,2931.1 1517.72,2959.65 1489.17,2959.65 1466.54,2937.01
  region net V_Sb2_5V: 1279.53,2935.04 1354.33,2860.24 1354.33,2834.65 1393.7,2834.65 1393.7,2889.76 1330.71,2952.76 1291.34,2952.76 1279.53,2940.94
  region net V_Ant2_5V: 1653.54,3025.59 1637.8,3059.06 1637.8,3128.74 1669.29,3160.24 1725.59,3160.24 1744.09,3141.73 1744.09,3082.68 1704.72,3023.62
  region net V_Ant1_5V: 1517.72,3043.31 1535.43,3086.61 1533.46,3131.89 1507.87,3157.48 1452.76,3157.48 1427.17,3131.89 1427.17,3086.61 1466.54,3043.31
  region net V_Sb2_5V: 1330.71,3043.31 1312.06,3144.81 1267.79,3161.84 1222.44,3143.7 1220.47,3090.55 1279.53,3021.65
  region net V_Sb1_5V: 1139.76,3043.31 1112.2,3094.49 1110.24,3099.41 1110.24,3111.02 1098.43,3129.92 1082.68,3141.73 1066.93,3155.51 1033.46,3151.57 1015.75,3129.92 1015.75,3087 1025.67,3075.13 1088.58,3001.97
  region net V_Sb1_5V: 1143.7,2937.01 1177.17,2903.54 1177.17,2834.65 1137.8,2834.65 1137.8,2891.73 1092.52,2937.01
  region net VOUT_5V: 1781.5,2738.19 1781.5,2690.94 1836.61,2647.64 1887.8,2667.32 1866.29,2692.76 1834.65,2698.82 1822.83,2710.63 1820.87,2738.19
  region net VOUT_5V: 1570.87,2736.22 1570.87,2700.79 1616.14,2624.02 1661.42,2657.48 1663.39,2655.51 1663.39,2667.32 1625.98,2694.88 1610.24,2708.66 1610.24,2736.22
  region net VOUT_5V: 1354.33,2736.22 1354.33,2698.82 1385.41,2626.41 1437.01,2667.32 1437.01,2669.29 1399.61,2702.76 1395.67,2706.69 1393.7,2736.22
  region net VOUT_5V: 1137.8,2736.22 1137.8,2706.69 1194.88,2633.86 1246.06,2651.57 1246.06,2667.32 1222.44,2688.98 1190.94,2694.88 1179.13,2706.69 1177.17,2736.22
Mid-Layer 3:
  rectangle net VOUT_3V3: 2893.7,2100.39 2937.01,2137.8
  rectangle net VCC_MAGB_5V: 618.11,2533.46 741.14,2596.46
  rectangle net VCC_MAGB_3.3: 147.64,2767.72 259.84,2824.8
  rectangle net VCC_SUNSEN_3.3: 1887.8,3037.4 1980.31,3165.35
  rectangle net VCC_FIBERGYRO_5V: 1047.24,-78.74 1177.17,11.81
  rectangle net VCC_FIBERGYRO_5V: 1311.02,596.46 1411.42,708.66
  rectangle net VOUT_BATT: 2551.18,559.06 2675.2,694.88
  rectangle net VOUT_BATT: 1543.31,397.64 1671.26,470.47
  rectangle net V_FIBERGYRO+3.3: 206.69,618.11 342.52,704.72
  rectangle net V_FIBERGYRO-3.3: 818.9,606.3 935.04,700.79
  rectangle net VOUT_BATT: 1185.04,933.07 1299.21,992.13
  rectangle net VOUT_3V3: 543.31,612.2 657.48,706.69
  rectangle net VOUT_3V3: 633.86,1072.83 748.03,1149.61
  rectangle net VOUT_3V3: 442.91,2767.72 555.12,2826.77
  rectangle net VOUT_3V3: 1887.8,2732.28 1970.47,2844.49
  rectangle net VCC_3V3: 2364.17,789.37 2549.21,897.64
  rectangle net VCC_1V5: 2112.2,531.5 2208.66,700.79
  region net VOUT_3V3: 2793.31,2671.26 2761.81,2702.76 2749.21,2708 2732.28,2732.28 2732.28,2744.09 2740.16,2755.91 2740.16,2804.33 2732.28,2820.87 2690.94,2925.2 2531.02,3006.97 2527.56,3005.91 2488.19,2942.91 2507.87,2925.2 2545.28,2755.91 2618.11,2665.35 2673.23,2610.24 2732.28,2669.29 2791.34,2669.29
  region net VOUT_3V3: 2848.43,2446.85 2817.91,2500.98 2808.62,2517.47 2793.31,2671.26 2618.11,2687.01 2627.95,2490.16 2669,2437.01 2692.34,2421.34 2698.66,2417.09 2750,2368.11 2793.31,2411.42 2838.58,2411.42 2838.58,2437.01
  region net VOUT_3V3: 2704.72,2289.37 2723.38,2332.14 2716,2354.33 2704.72,2368.11 2669,2437.01 2848.43,2446.85 2907.48,2405.51 2907.48,2261.22 2800.49,2154.23 2704.72,2250
  region net VOUT_3V3: 3011.81,1545.28 2883.86,1732.28 2883.86,2007.87 2952.76,2086.61 2952.76,2137.8 2925.2,2155.51 2901.57,2153.54 2881.89,2136.81 2881.89,2104.33 2862.2,2084.65 2830.71,2084.65 2809.06,2106.3 2809.06,2289.37 2765.75,2289.37 2704.72,2289.37 2704.72,1537.87 2913.39,1338.58 2927.17,1338.58 3011.81,1336.61
  region net V_FIBERGYRO-3.3: 818.9,700.79 811.03,700.79 665.35,568.9 421.95,559.75 135.83,273.62 -39.37,273.62 -61.02,295.28 -61.02,346.46 -39.37,362.2 -21.65,366.14 21.65,366.14 31.5,375.98 31.5,417.32 17.72,450.79 -72.83,456.69 -127.95,401.57 -127.95,242.13 -72.83,187.01 214.57,187.01 214.57,188.98 479.05,435.08 726.09,464.03 876.64,605.64 834.65,685.04
  region net V_FIBERGYRO+3.3: 143.7,618.11 98.43,663.39 -59.06,663.39 -66.93,655.51 -66.93,582.68 -53.15,568.9 0,568.9 33.46,535.43 33.46,490.16 17.72,474.41 -76.77,474.41 -129.92,527.56 -129.92,718.5 -45.28,767.72 142.98,767.72 236.22,704.72 218.5,631.89 204.72,618.11
  region net VCC_MAGB_5V: 618.11,2596.46 557.09,2535.43 3.94,2535.43 -9.84,2549.21 -9.84,2635.83 -39.37,2665.35 -100.39,2665.35 -125.98,2639.76 -118.11,2498.03 -41.34,2464.57 600.39,2464.57 677.17,2533.46 618.11,2592.52
  region net VCC_MAGB_3.3: 183.07,2824.8 163.39,2844.49 144.28,2859.96 95.07,2909.17 -64.38,2909.17 -108.48,2865.08 -108.48,2778.07 -84.07,2753.66 -45.05,2753.66 -13.78,2763.78 -3.62,2828.21 16.33,2848.15 65.54,2848.15 147.64,2767.72
Bottom Layer:
  rectangle net GND: 1753.94,2757.87 1820.87,2862.2
  rectangle net GND: 1545.28,2755.91 1612.2,2860.24
  rectangle net GND: 1326.77,2757.87 1391.73,2860.24
  rectangle net GND: 1118.11,2755.91 1177.17,2860.24
  rectangle net VOUT_3V3: 543.31,614.17 657.48,675.2
  rectangle net NetC6_1: 1604.33,0 1645.67,37.4
  rectangle net NetC17_2: 2612.2,248.03 2653.54,287.4
  rectangle net VCC_MAGA: 858.27,937.01 966.54,990.16
  rectangle net VOUT_5V: 919.29,2559.06 1033.46,2633.86
  rectangle net VOUT_5V: 1362.2,-96.46 1476.38,3.94
  rectangle net VCC_FIBERGYRO_5V: 1311.02,596.46 1411.42,710.63
  rectangle net GND: 1310.04,464.57 1411.42,576.77
  rectangle net GND: 232.28,771.65 340.55,812.99
  rectangle net GND: 547.24,763.78 655.51,805.12
  rectangle net GND: 820.87,757.87 931.1,799.21
  rectangle net VOUT_BATT: 1580.71,370.08 1687.01,478.35
  rectangle net GND: 1555.12,531.5 1663.39,616.14
  rectangle net VOUT_BATT: 2588.58,559.06 2647.64,708.66
  rectangle net VOUT_5V: 1588.58,1555.12 1627.95,1590.55
  region net VCC_MAGA: 850.39,990.16 275.59,986.22 185.04,1084.65 181.1,1088.58 177.17,1092.52 139.69,1130 -31.42,1130 -78.74,1082.68 -78.74,976.38 -64.96,962.6 27.56,962.6 37.83,970.46 38.38,987.94 40.32,1050.16 51.18,1061.02 55.12,1061.02 59.06,1061.02 120.08,1061.02 246.06,935.04 866.14,937.01 862.2,976.38 862.2,990.16

## Silkscreen, mask and mechanical layers (free items; w line width, h text height)
Mechanical 1:
  the board outline again, w10

## Text inside footprints (layer, text, board x,y; h text height)
FIBER: Top Overlay "8" at 60.71,255.75 h50 r270; Top Overlay "7" at -39.29,255.75 h50 r270; Top Overlay "1" at -39.29,695.75 h50 r270; Top Overlay "2" at 60.71,715.75 h50 r270
JTAG: Top Overlay "2" at 2530.71,3167.01 h30; Top Overlay "1" at 2550.71,3067.01 h30; Top Overlay "9" at 3090.71,3067.01 h30; Top Overlay "10" at 3090.71,3167.01 h30
MAGA: Top Overlay "3" at -39.29,861.26 h50 r270; Top Overlay "4" at 60.71,861.26 h50 r270; Top Overlay "2" at 60.71,1121.26 h50 r270; Top Overlay "1" at -39.29,1101.26 h50 r270
MAGB: Top Overlay "1" at -77.09,2886.69 h50 r270; Top Overlay "2" at 22.91,2906.69 h50 r270; Top Overlay "5" at -77.09,2546.69 h50 r270; Top Overlay "6" at 22.91,2546.69 h50 r270
SUNSEN: Top Overlay "3" at 2205.75,3222.76 h50 r180; Top Overlay "4" at 2205.75,3122.76 h50 r180; Top Overlay "2" at 2465.75,3122.76 h50 r180; Top Overlay "1" at 2445.75,3222.76 h50 r180